# Altium PCB UZ_A_MAX11331_Daughter.PcbDoc (part 6 of 7) (continued)
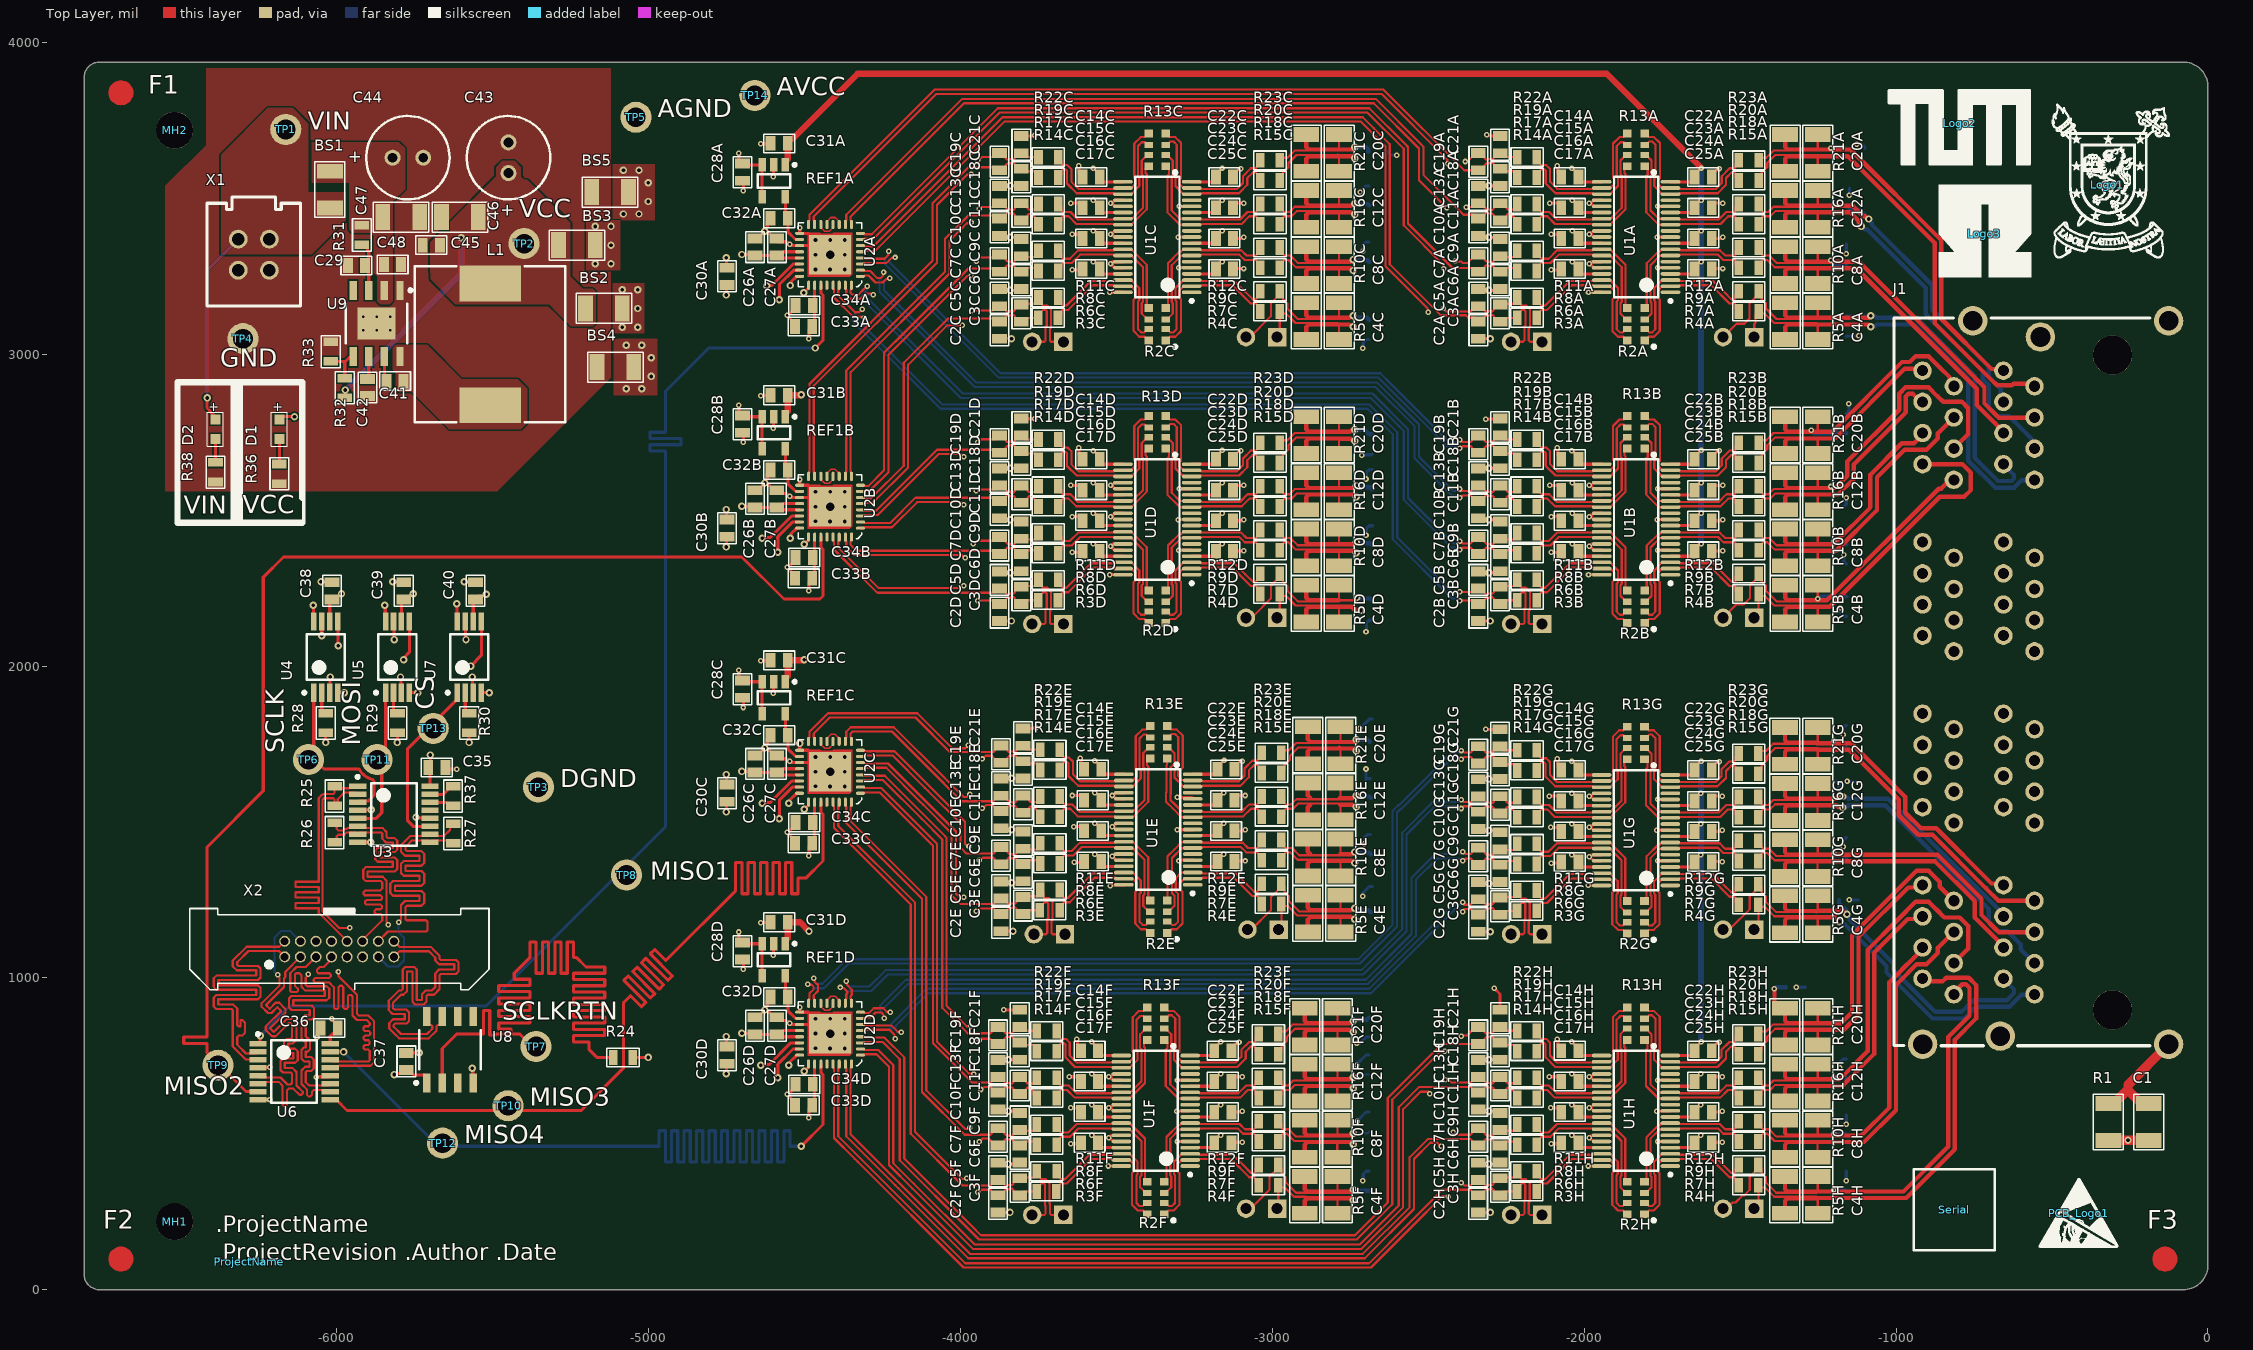
[diagram p0: Top Layer view]
## Nets (pads, with @x,y where several pads share a name; then routed paths per layer and width w, separated by ;. In a path a pad name is that pad's centre, name@x,y a point inside that pad or via, vN(x,y) a via of type N, cw(c..) or ccw(c..) an arc to the next point about the centre after c; other vN are vias at no path point) (continued)
FB4F_P: R2F.2 R7F.1 U1F.3 | length 501
  Top Layer w7: R2F.2@-3346.86,278.5 -3342.93,278.5 -3332.53,268.1 -3322.58,268.1 -3312.58,278.1 -3312.58,367.51 -3315.94,370.86 -3315.94,410.27 -3290.22,435.98 U1F.3@-3263.94,435.98 -3237.05,435.98 -3234.21,433.14 -3127.34,433.14 -3092.45,398.25 -3068.69,374.5 -3058.8,374.5 -3054.69,378.6 -3054.69,389.72 R7F.1@-3044.42,400
FB4G_N: R2G.1 R4G.1 U1G.2 | length 501
  Top Layer w7: R2G.1@-1806.86,1142.09 -1805.68,1142.09 -1793.67,1154.1 -1776.79,1154.1 -1758.58,1172.3 -1758.58,1273.31 -1763.94,1278.66 -1763.94,1302.58 -1750.22,1316.3 U1G.2@-1723.94,1316.3 -1697.05,1316.3 -1694.21,1319.14 -1593.14,1319.14 -1534.49,1260.5 -1518.8,1260.5 -1514.69,1256.4 -1514.69,1245.28 R4G.1@-1504.42,1235
FB4G_P: R2G.2 R7G.1 U1G.3 | length 501
  Top Layer w7: R2G.2@-1806.86,1178.5 -1802.93,1178.5 -1792.53,1168.1 -1782.58,1168.1 -1772.58,1178.1 -1772.58,1267.51 -1775.94,1270.86 -1775.94,1310.27 -1750.22,1335.98 U1G.3@-1723.94,1335.98 -1697.05,1335.98 -1694.21,1333.14 -1587.34,1333.14 -1552.45,1298.25 -1528.69,1274.5 -1518.8,1274.5 -1514.69,1278.6 -1514.69,1289.72 R7G.1@-1504.42,1300
FB4H_N: R2H.1 R4H.1 U1H.2 | length 501
  Top Layer w7: R2H.1@-1806.86,242.09 -1805.68,242.09 -1793.67,254.1 -1776.79,254.1 -1758.58,272.3 -1758.58,373.31 -1763.94,378.66 -1763.94,402.58 -1750.22,416.3 U1H.2@-1723.94,416.3 -1697.05,416.3 -1694.21,419.14 -1593.14,419.14 -1534.49,360.5 -1518.8,360.5 -1514.69,356.4 -1514.69,345.28 R4H.1@-1504.42,335
FB4H_P: R2H.2 R7H.1 U1H.3 | length 501
  Top Layer w7: R2H.2@-1806.86,278.5 -1802.93,278.5 -1792.53,268.1 -1782.58,268.1 -1772.58,278.1 -1772.58,367.51 -1775.94,370.86 -1775.94,410.27 -1750.22,435.98 U1H.3@-1723.94,435.98 -1697.05,435.98 -1694.21,433.14 -1587.34,433.14 -1552.45,398.25 -1528.69,374.5 -1518.8,374.5 -1514.69,378.6 -1514.69,389.72 R7H.1@-1504.42,400
FGND: C1.1 J1.S3 R1.1 | length 336.3
  Top Layer w30: R1.1@-318.99,597.01 -301.27,597.01 -256.42,641.86 ; C1.1@-218.36,602.01 -256.42,640.07 -256.42,641.86 ; J1.S3@-125.99,787.4 -256.42,656.97 -256.42,641.86
MISOA: TP8.1 U2A.27 U6.1 | length 4057.2
  Top Layer w10: U6.1@-6253.71,789.13 -6250.28,789.13 -6246.42,792.99 v2(-6246.42,815) ; v2(-4466.42,3020) -4441.42,3045 -4441.42,3190 -4448.39,3196.97 U2A.27@-4448.39,3221.46
  Bottom Layer w10: v2(-6246.42,815) -6151.42,910 -5521.42,910 -4946.42,1485 -4946.42,2685 -4946.42,2690 -4996.42,2690 -4996.42,2710 -4896.42,2710 -4896.42,2730 -4996.42,2730 -4996.42,2750 -4946.42,2750 -4946.42,2770 -4946.42,2881.82 -4808.25,3020 v2(-4466.42,3020)
MISOADC1_N: U6.3 X2.2 | length 1080.6
  Top Layer w7: U6.3@-6253.71,737.95 -6291.77,737.95 -6334,780.18 -6334,830 -6334,880 -6334,896.2 -6338.1,900.3 -6386.8,900.3 -6395,908.5 -6395,937.1 -6386.8,945.3 -6259,945.3 -6259,962.3 -6386.8,962.3 -6395,970.5 -6395,999.1 -6386.8,1007.3 -6259,1007.3 -6259,1024.3 -6321.7,1024.3 -6334,1036.6 -6334,1050 -6334,1055.8 -6289.8,1100 -6185.13,1100 X2.2@-6167.57,1117.57
MISOADC1_P: U6.2 X2.1 | length 1108.6
  Top Layer w7: U6.2@-6253.71,763.54 -6259.07,758.18 -6281.43,758.18 -6281.87,757.75 -6291.77,757.75 -6320,785.98 -6320,810 -6315,815 -6304.1,815 -6295,824.1 -6295,855.9 -6304.1,865 -6309,865 -6309,845 -6315.9,845 -6320,849.1 -6320,880 -6320,902 -6332.3,914.3 -6381,914.3 -6381,931.3 -6253.2,931.3 -6245,939.5 -6245,968.1 -6253.2,976.3 -6381,976.3 -6381,993.3 -6253.2,993.3 -6245,1001.5 -6245,1030.1 -6253.2,1038.3 -6315.9,1038.3 -6320,1042.4 -6320,1050 -6284,1086 -6186,1086 X2.1@-6167.57,1067.57
MISOADC2_N: U6.5 X2.4 | length 1057
  Top Layer w7: U6.5@-6253.71,686.77 -6248.35,681.41 -6225.98,681.41 -6225.55,680.98 -6202.85,680.98 -6202.41,680.54 -6181.31,680.54 -6158.86,658.09 -6149.1,658.09 -6144,663.19 -6144,685 -6144,692.6 -6148.1,696.7 -6173.2,696.7 -6181.4,704.9 -6181.4,733.5 -6173.2,741.7 -6140,741.7 -6140,758.7 -6162.15,758.7 -6170.35,766.9 -6170.35,795.5 -6162.15,803.7 -6148.1,803.7 -6144,807.8 -6144,835 -6144,849 -6149.37,854.37 -6155.17,854.37 -6196.79,812.76 -6208.39,812.76 -6228.61,832.98 -6228.61,844.58 -6179.09,894.09 -6191.12,906.11 -6209.89,887.34 -6221.48,887.34 -6241.71,907.57 -6241.71,919.16 -6184,976.87 -6184,986 -6184,1001.1 -6187.95,1005.05 -6187.95,1005.38 -6186.67,1006.67 v1(-6190,1010)
  Bottom Layer w7: v1(-6190,1010) -6200,1020 -6200,1130 -6180,1150 -6150,1150 X2.4@-6117.57,1117.57
MISOADC2_P: U6.6 X2.3 | length 1095.7
  Top Layer w7: U6.6@-6253.71,661.18 -6248.35,666.54 -6187.11,666.54 -6175,654.43 -6175,594.1 -6170.9,590 -6164.1,590 -6160,594.1 -6160,640 -6155,645 -6140,645 -6120.1,625.1 -6113.9,625.1 -6110,629 -6110,635 -6130,655 -6130,685 -6130,698.4 -6142.3,710.7 -6167.4,710.7 -6167.4,727.7 -6134.2,727.7 -6126,735.9 -6126,764.5 -6134.2,772.7 -6156.35,772.7 -6156.35,789.7 -6142.3,789.7 -6130,802 -6130,835 -6130,854.8 -6134.1,858.9 -6143.58,868.37 -6160.97,868.37 -6202.59,826.76 -6214.61,838.78 -6165.09,888.29 -6165.09,899.89 -6185.32,920.11 -6196.91,920.11 -6215.68,901.34 -6227.71,913.37 -6170,971.07 -6170,986.02 -6170,998.38 -6165.96,1002.42 -6165.96,1019.17 X2.3@-6117.57,1067.57
MISOADC3_N: U6.11 X2.6 | length 1106.1
  Top Layer w7: v1(-6091.64,1011.87) -6091.64,1008.97 -6100,1000.61 -6100,985 -6100,977.4 -6095.9,973.3 -6033.2,973.3 -6025,965.1 -6025,936.5 -6033.2,928.3 -6140,928.3 -6140,911.3 -6081.44,911.3 -6073.24,903.1 -6073.24,874.5 -6081.44,866.3 -6095.9,866.3 -6100,862.2 -6100,830 -6100,820 -6100,812.4 -6095.9,808.3 -6094.62,808.3 -6086.42,800.1 -6086.42,771.5 -6094.62,763.3 -6100,763.3 -6100,746.3 -6082.46,746.3 -6074.26,738.1 -6074.26,709.5 -6082.46,701.3 -6095.9,701.3 -6100,697.2 -6100,685 -6100,665.39 -6090,655.39 -6059.48,655.39 -6049.58,655.39 -6049.15,655.82 -6026.78,655.82 U6.11@-6021.42,661.18
  Signal 1 w7: v1(-6091.64,1011.87) -6091.87,1011.87 -6110,1030 -6180,1030 -6200,1050 -6200,1129.28 -6180.5,1148.78 -6098.78,1148.78 X2.6@-6067.57,1117.57
MISOADC3_P: U6.10 X2.5 | length 1069
  Top Layer w7: X2.5@-6067.57,1067.57 -6100.07,1035.07 -6129.93,1035.07 -6150,1015 -6150,959.1 -6145.9,955 -6129.1,955 -6125,959.1 -6125,965 -6135,975 -6135,1010.9 -6130.9,1015 -6120,1015 -6114,1009 -6114,985 -6114,971.6 -6101.7,959.3 -6039,959.3 -6039,942.3 -6145.8,942.3 -6154,934.1 -6154,905.5 -6145.8,897.3 -6087.24,897.3 -6087.24,880.3 -6101.7,880.3 -6114,868 -6114,830 -6114,820 -6114,806.6 -6101.7,794.3 -6100.42,794.3 -6100.42,777.3 -6105.8,777.3 -6114,769.1 -6114,740.5 -6105.8,732.3 -6088.26,732.3 -6088.26,715.3 -6101.7,715.3 -6114,703 -6114,685 -6114,659.59 -6095.8,641.39 -6095.8,624.1 -6091.7,620 -6085,620 -6080,625 -6080,635 -6074.05,640.95 -6026.78,640.95 U6.10@-6021.42,635.59
MISOADC4_N: U6.13 X2.8 | length 1002.5
  Top Layer w7: U6.13@-6021.42,712.36 -6016.06,717.72 -5993.7,717.72 -5993.26,718.16 -5892.04,718.16 -5881,729.2 -5881,765 -5881,855 -5881,860.8 -5899.2,879 -5930,879 -5936,885 -5936,945.68 -5995.21,1004.89 v1(-5995.21,1020)
  Signal 2 w7: X2.8@-6017.57,1117.57 -6045,1145 -6052.67,1145 ccw(c-6067.57,1117.57) -6082.46,1145 -6102.67,1145 ccw(c-6117.57,1117.57) -6132.46,1145 -6152.67,1145 ccw(c-6167.57,1117.57) -6182.46,1145 -6184.28,1145 -6195,1134.28 -6195,1132.46 ccw(c-6167.57,1117.57) -6195,1102.67 -6195,1082.46 ccw(c-6167.57,1067.57) -6195,1052.67 -6195,1045 -6186.03,1036.03 -6011.23,1036.03 v1(-5995.21,1020)
MISOADC4_P: U6.14 X2.7 | length 1038
  Top Layer w7: U6.14@-6021.42,737.95 -6016.06,732.59 -5993.7,732.59 -5993.26,732.16 -5899.1,732.16 -5895,736.26 -5895,765 -5900,770 -5910.9,770 -5915,774.1 -5915,780 -5910,785 -5900,785 -5895.4,789.6 -5895.4,795.4 -5900,800 -5910,800 -5914.6,804.6 -5914.6,810.4 -5910,815 -5898,815 -5893.4,819.6 -5893.4,825.4 -5898,830 -5910.9,830 -5915,834.1 -5915,840.9 -5910.9,845 -5900,845 -5895,850 -5895,855 -5905,865 -5935.8,865 -5950,879.2 -5950,940.12 -5954.98,945.1 -5960.9,945.1 -5965,941 -5965,905 -5969.6,900.4 -5975.4,900.4 -5980,905 -5980,970 -5984.54,974.54 -5984.54,974.66 -5990.34,974.66 -5995,970 -5995,904 -5999.1,899.9 -6004.9,899.9 -6010,905 -6010,970 -6025,985 -6027.93,985 -6028.23,985.3 -6070.3,985.3 -6074.6,989.6 -6074.6,995.4 -6070,1000 -6025,1000 -6020,1005 -6020,1010.9 -6024.1,1015 -6060,1015 -6064.6,1019.6 -6064.6,1025.4 -6055,1035 -6042.44,1035 -6017.57,1059.87 X2.7@-6017.57,1067.57
MISOB: TP9.1 U2B.27 U6.7 | length 4037.3
  Top Layer w10: U6.7@-6253.71,635.59 -6292.01,635.59 -6378.92,722.5 -6416.42,760 -6416.42,785 -6416.42,790 -6491.42,790 -6491.42,810 -6416.42,810 -6416.42,830 -6416.42,1420 -6236.42,1600 -6236.42,2285 -6171.42,2350 -4701.42,2350 -4566.42,2215 -4451.42,2215 -4441.42,2225 -4441.42,2375 -4448.39,2381.97 U2B.27@-4448.39,2413.66
MISOC: TP10.1 U2C.27 U6.9 | length 4063.9
  Top Layer w10: U6.9@-6021.42,610 -6002.72,610 -5967.72,575 -5216.42,575 -5081.42,710 -5081.42,920 -5076.42,925 -5058.75,942.68 -5023.39,907.32 -5009.25,921.46 -5079.96,992.18 -5065.82,1006.32 -4995.11,935.61 -4980.96,949.75 -5051.67,1020.46 -5037.53,1034.6 -4966.82,963.89 -4952.68,978.03 -5023.39,1048.74 -5009.25,1062.89 -4938.54,992.18 -4924.39,1006.32 -4995.11,1077.03 -4980.96,1091.17 -4945.61,1055.82 -4934.48,1066.95 -4726.42,1275 -4721.42,1280 -4721.42,1370 -4701.42,1370 -4701.42,1270 -4681.42,1270 -4681.42,1370 -4661.42,1370 -4661.42,1270 -4641.42,1270 -4641.42,1370 -4621.42,1370 -4621.42,1270 -4601.42,1270 -4601.42,1370 -4581.42,1370 -4581.42,1270 -4561.42,1270 -4561.42,1370 -4541.42,1370 -4541.42,1270 -4521.42,1270 -4521.42,1320 -4506.42,1320 -4496.42,1320 -4441.42,1375 -4441.42,1525 -4448.39,1531.97 U2C.27@-4448.39,1563.66
MISOD: TP12.1 U2D.27 U6.15 | length 4031.3
  Top Layer w10: U6.15@-6021.42,763.54 -6020.99,763.11 -5979.33,763.11 v2(-5978.9,762.68) ; v2(-4511.42,460) -4441.42,530 -4441.42,690 -4448.39,696.97 U2D.27@-4448.39,723.66
  Bottom Layer w10: v2(-5978.9,762.68) -5676.22,460 -4972.03,460 -4967.03,460 -4967.03,510 -4947.03,510 -4947.03,410 -4927.03,410 -4927.03,510 -4907.03,510 -4907.03,410 -4887.03,410 -4887.03,510 -4867.03,510 -4867.03,410 -4847.03,410 -4847.03,510 -4827.03,510 -4827.03,410 -4807.03,410 -4807.03,510 -4787.03,510 -4787.03,410 -4767.03,410 -4767.03,510 -4747.03,510 -4747.03,410 -4727.03,410 -4727.03,510 -4707.03,510 -4707.03,410 -4687.03,410 -4687.03,510 -4667.03,510 -4667.03,410 -4647.03,410 -4647.03,510 -4627.03,510 -4627.03,410 -4607.03,410 -4607.03,510 -4587.03,510 -4587.03,410 -4567.03,410 -4567.03,510 -4547.03,510 -4547.03,460 -4541.42,460 v2(-4511.42,460)
MOSI: TP11.1 U3.5 U5.1 | length 474.5
  Top Layer w10: U3.5@-5933.71,1511.77 -5874.65,1511.77 -5856.42,1530 -5856.42,1705.98 -5844.38,1718.03 U5.1@-5844.38,1914.68
MOSI_N: R26.1 U3.7 X2.12 | length 1068.2
  Top Layer w7: R26.1@-6007.57,1434.57 -6000.49,1441.64 -6000.49,1454.96 -5996.39,1459.06 -5976.88,1459.06 -5969.99,1465.95 -5939.07,1465.95 U3.7@-5933.71,1460.59 -5928.35,1465.95 -5905.98,1465.95 -5905.55,1466.39 -5859.1,1466.39 -5855,1462.29 -5855,1460 -5855,1446.6 -5842.7,1434.3 -5821,1434.3 -5821,1417.3 -5869.23,1417.3 -5877.43,1409.1 -5877.43,1380.5 -5869.23,1372.3 -5821,1372.3 -5821,1355.3 -5907.8,1355.3 -5916,1347.1 -5916,1318.5 -5907.8,1310.3 -5859.1,1310.3 -5855,1306.2 -5855,1287.08 -5862.08,1280 -5910,1280 -5915,1275 -5915,1269.1 -5910.9,1265 -5860,1265 -5855.4,1260.4 -5855.4,1254.6 -5860,1250 -5905,1250 -5910.1,1244.9 -5910.1,1239.1 -5906,1235 -5860,1235 -5855.4,1230.4 -5855.4,1224.6 -5860,1220 -5875,1220 -5879.6,1215.4 -5879.6,1209.6 -5875,1205 -5860,1205 -5855,1200 -5855,1185 -5917.57,1122.43 X2.12@-5917.57,1117.57
MOSI_P: R26.2 U3.6 X2.11 | length 1065.1
  Top Layer w7: R26.2@-6007.57,1497.56 -6000.49,1490.49 -6000.49,1477.16 -5996.39,1473.06 -5979.85,1473.06 -5974.96,1477.95 -5967.61,1477.95 -5964.74,1480.82 -5939.07,1480.82 U3.6@-5933.71,1486.18 -5928.35,1480.82 -5905.98,1480.82 -5905.55,1480.39 -5853.3,1480.39 -5841,1468.08 -5841,1460 -5841,1452.4 -5836.9,1448.3 -5815.2,1448.3 -5807,1440.1 -5807,1411.5 -5815.2,1403.3 -5863.43,1403.3 -5863.43,1386.3 -5815.2,1386.3 -5807,1378.1 -5807,1349.5 -5815.2,1341.3 -5902,1341.3 -5902,1324.3 -5853.3,1324.3 -5841,1312 -5841,1287.08 -5841,1180.04 -5835,1174.04 v1(-5835,1171.14)
  Signal 2 w7: X2.11@-5917.57,1067.57 -5885,1035 -5805.99,1035 -5786.35,1054.64 -5786.35,1130.5 -5804.63,1148.78 -5824.94,1169.09 -5832.95,1169.09 v1(-5835,1171.14)
MOSIA: U2A.24 U5.3 | length 4008.5
  Top Layer w10: v2(-5796.42,1965) -5794.81,1963.39 -5794.81,1916.3 U5.3@-5793.19,1914.68 ; v2(-4546.86,3220.44) -4544.25,3223.04 -4544.25,3231.74 -4525.99,3250 U2A.24@-4516.31,3250
  Signal 1 w10: v2(-5796.42,1965) -5701.42,2060 -5701.42,2365 -5697.89,2368.54 -5729.43,2400.07 -5715.28,2414.22 -5648.39,2347.32 -5634.25,2361.46 -5701.14,2428.36 -5687,2442.5 -5620.11,2375.61 -5605.96,2389.75 -5672.91,2456.7 -5658.77,2470.84 -5591.82,2403.89 -5577.68,2418.03 -5645.91,2486.26 -5631.77,2500.41 -5563.54,2432.18 -5549.39,2446.32 -5620.11,2517.03 -5605.96,2531.17 -5535.25,2460.46 -5521.11,2474.6 -5591.82,2545.31 -5577.68,2559.45 -5506.97,2488.74 -5492.83,2502.89 -5563.54,2573.6 -5549.39,2587.74 -5478.68,2517.03 -5464.54,2531.17 -5535.25,2601.88 -5521.11,2616.02 -5450.4,2545.31 -5436.26,2559.45 -5506.97,2630.17 -5492.83,2644.31 -5422.12,2573.6 -5407.97,2587.74 -5478.68,2658.45 -5464.54,2672.59 -5393.83,2601.88 -5379.69,2616.02 -5415.04,2651.38 -5406.42,2660 -5391.64,2660 -5141.42,2660 -4580.99,3220.44 v2(-4546.86,3220.44)
MOSIB: U2B.24 U5.8 | length 4025.3
  Top Layer w10: v2(-5846.42,2195) -5845.4,2193.98 -5845.4,2144.06 U5.8@-5844.38,2143.03 ; v2(-4546.42,2410) -4543.82,2412.61 -4543.82,2424.38 -4525.99,2442.2 U2B.24@-4516.31,2442.2
  Signal 2 w10: v2(-5846.42,2195) -5731.42,2195 -5576.42,2350 -5526.42,2350 -5521.42,2350 -5521.42,2395 -5501.42,2395 -5501.42,2300 -5481.42,2300 -5481.42,2395 -5461.42,2395 -5461.42,2300 -5441.42,2300 -5441.42,2395 -5421.42,2395 -5421.42,2300 -5401.42,2300 -5401.42,2395 -5381.42,2395 -5381.42,2300 -5361.42,2300 -5361.42,2395 -5341.42,2395 -5341.42,2300 -5321.42,2300 -5321.42,2395 -5301.42,2395 -5301.42,2300 -5281.42,2300 -5281.42,2395 -5261.42,2395 -5261.42,2300 -5241.42,2300 -5241.42,2395 -5221.42,2395 -5221.42,2300 -5201.42,2300 -5201.42,2395 -5181.42,2395 -5181.42,2300 -5161.42,2300 -5161.42,2395 -5141.42,2395 -5141.42,2300 -5121.42,2300 -5121.42,2395 -5101.42,2395 -5101.42,2300 -5081.42,2300 -5081.42,2395 -5061.42,2395 -5061.42,2300 -5041.42,2300 -5041.42,2386.36 -5021.42,2386.36 -5021.42,2300 -5001.42,2300 -5001.42,2390.18 -4981.42,2390.18 -4981.42,2350 -4976.42,2350 -4973.58,2350 -4651.42,2350 -4591.42,2410 v2(-4546.42,2410)
MOSIC: U2C.24 U5.7 | length 4022.8
  Top Layer w10: U5.7@-5818.79,2143.03 -5817.6,2141.85 -5817.6,2086.18 v2(-5816.42,2085) ; v2(-4551.42,1560) -4548.82,1562.61 -4548.82,1569.38 -4525.99,1592.2 U2C.24@-4516.31,1592.2
  Signal 2 w10: v2(-5816.42,2085) -5776.42,2125 -5771.42,2125 -5746.42,2125 -5746.42,2075 -5726.42,2075 -5726.42,2125 -5706.42,2125 -5706.42,2075 -5686.42,2075 -5686.42,2125 -5666.42,2125 -5666.42,2075 -5646.42,2075 -5646.42,2125 -5626.42,2125 -5626.42,2102.92 -5606.42,2102.92 -5606.42,2125 -5586.42,2125 -5586.42,2111.81 -5566.42,2111.81 -5566.42,2125 -5546.42,2125 -5546.42,2100 -5526.42,2100 -5526.42,2125 -5506.42,2125 -5506.42,2100 -5486.42,2100 -5486.42,2125 -5466.42,2125 -5466.42,2100 -5446.42,2100 -5446.42,2125 -5426.42,2125 -5426.42,2100 -5406.42,2100 -5406.42,2125 -5386.42,2125 -5386.42,2100 -5366.42,2100 -5366.42,2125 -5346.42,2125 -5346.42,2100 -5326.42,2100 -5326.42,2125 -5306.42,2125 -5306.42,2100 -5286.42,2100 -5286.42,2125 -5266.42,2125 -5266.42,2100 -5246.42,2100 -5246.42,2125 -5226.42,2125 -5226.42,2100 -5206.42,2100 -5206.42,2125 -5186.42,2125 -5186.42,2100 -5166.42,2100 -5166.42,2128.58 -5146.42,2128.58 -5146.42,2100 -5126.42,2100 -5126.42,2149.98 -5106.42,2149.98 -5106.42,2081.21 -5086.42,2081.21 -5086.42,2138.79 -5066.42,2138.79 -5066.42,2090 -5046.42,2070 -5033.92,2057.5 -5030.39,2053.96 -5005.99,2078.36 -4991.85,2064.22 -5040.64,2015.43 -5026.5,2001.29 -4977.71,2050.07 -4963.57,2035.93 -5012.35,1987.14 -4998.21,1973 -4949.43,2021.79 -4935.28,2007.65 -4984.07,1958.86 -4969.93,1944.72 -4921.14,1993.5 -4907,1979.36 -4955.79,1930.58 -4941.64,1916.43 -4905.57,1952.51 -4891.42,1938.37 -4911.42,1918.37 -4911.42,1875 -4911.42,1870.49 -4911.42,1839.34 -4936.42,1839.34 -4936.42,1819.34 -4891.42,1819.34 -4891.42,1799.34 -4936.42,1799.34 -4936.42,1779.34 -4891.42,1779.34 -4891.42,1759.34 -4936.42,1759.34 -4936.42,1739.34 -4891.42,1739.34 -4891.42,1719.34 -4922.01,1719.34 -4922.01,1699.34 -4891.42,1699.34 -4891.42,1679.34 -4911.42,1679.34 -4911.42,1659.34 -4891.42,1659.34 -4891.42,1639.34 -4911.42,1639.34 -4911.42,1615 -4910.76,1614.34 -4895.71,1599.29 -4892.18,1595.75 -4877.78,1610.15 -4863.64,1596 -4879.9,1579.75 -4865.75,1565.61 -4849.5,1581.86 -4835.36,1567.72 -4849.75,1553.33 -4835.71,1539.29 -4801.82,1505.39 -4646.03,1505.39 -4591.42,1560 v2(-4551.42,1560)
MOSID: U2D.24 U5.5 | length 4048.9
  Top Layer w10: v2(-5786.42,2020) -5786.42,2026.18 -5767.01,2045.59 -5767.01,2142.44 U5.5@-5767.6,2143.03 ; v2(-4551.42,720) -4548.82,722.61 -4548.82,729.38 -4525.99,752.2 U2D.24@-4516.31,752.2
  Signal 2 w10: v2(-5786.42,2020) -5783.75,2020 -5773.75,2030 -5426.42,2030 -5196.07,1799.64 -5196.07,1765 -5196.07,1760 -5175.71,1760 -5175.71,1740 -5216.42,1740 -5216.42,1720 -5175.71,1720 -5175.71,1700 -5216.42,1700 -5216.42,1680 -5175.71,1680 -5175.71,1660 -5216.42,1660 -5216.42,1640 -5175.71,1640 -5175.71,1620 -5216.42,1620 -5216.42,1600 -5175.71,1600 -5175.71,1580 -5216.42,1580 -5216.42,1560 -5175.71,1560 -5175.71,1540 -5216.42,1540 -5216.42,1520 -5175.71,1520 -5175.71,1500 -5216.42,1500 -5216.42,1480 -5175.71,1480 -5175.71,1460 -5216.42,1460 -5216.42,1440 -5175.71,1440 -5175.71,1420 -5216.42,1420 -5216.42,1400 -5175.71,1400 -5175.71,1380 -5216.42,1380 -5216.42,1360 -5175.71,1360 -5175.71,1340 -5216.42,1340 -5216.42,1320 -5175.71,1320 -5175.71,1300 -5216.42,1300 -5216.42,1280 -5175.71,1280 -5175.71,1260 -5216.42,1260 -5216.42,1240 -5175.71,1240 -5175.71,1220 -5216.42,1220 -5216.42,1200 -5175.71,1200 -5175.71,1180 -5216.42,1180 -5216.42,1160 -5175.71,1160 -5175.71,1140 -5215.66,1140 -5215.66,1120 -5175.71,1120 -5175.71,1100 -5196.07,1100 -5196.07,1080 -5175.71,1080 -5175.71,1060 -5196.07,1060 -5196.07,1040 -5175.71,1040 -5175.71,1020 -5196.07,1020 -5196.07,1000 -5175.71,1000 -5175.71,980 -5196.07,980 -5196.07,960 -5175.71,960 -5175.71,940 -5196.07,940 -5196.07,932.32 -5196.07,889.64 -4971.42,665 -4658.51,665 -4603.51,720 v2(-4551.42,720)
NetC32A_1: C32A.1 REF1A.5 U2A.18 | length 163.7
  Top Layer w10: REF1A.5@-4561.94,3505.16 -4561.94,3444.06 C32A.1@-4554.22,3436.34 -4554.22,3392.8 -4529.61,3368.19 -4516.38,3368.19 U2A.18@-4516.31,3368.11
NetC32B_1: C32B.1 REF1B.5 U2B.18 | length 163.7
  Top Layer w10: REF1B.5@-4561.94,2697.36 -4561.94,2636.26 C32B.1@-4554.22,2628.54 -4554.22,2585 -4529.61,2560.39 -4516.38,2560.39 U2B.18@-4516.31,2560.31
NetC32C_1: C32C.1 REF1C.5 U2C.18 | length 163.7
  Top Layer w10: REF1C.5@-4561.94,1847.36 -4561.94,1786.26 C32C.1@-4554.22,1778.54 -4554.22,1735 -4529.61,1710.39 -4516.38,1710.39 U2C.18@-4516.31,1710.31
NetC32D_1: C32D.1 REF1D.5 U2D.18 | length 163.7
  Top Layer w10: REF1D.5@-4561.94,1007.36 -4561.94,946.26 C32D.1@-4554.22,938.54 -4554.22,895 -4529.61,870.39 -4516.38,870.39 U2D.18@-4516.31,870.31
NetC41_2: C41.2 U9.7 | length 81.4
  Top Layer w10: U9.7@-5848,2992.6 -5848,2920.35 C41.2@-5841.5,2913.86
NetC42_1: C42.1 U9.6 | length 73.3
  Top Layer w10: C42.1@-5902,2921 -5898,2925 U9.6@-5898,2992.6
NetD1_1: D1.1 R36.2 | length 80.3
  Top Layer w10: R36.2@-6185,2647.99 -6184.65,2648.34 D1.1@-6184.65,2728.19
NetD2_1: D2.1 R38.1 | length 74.8
  Top Layer w10: R38.1@-6389.69,2653.39 D2.1@-6389.69,2728.19
NetR24_2: R24.2 TP7.1 U8.2 | length 4118.6
  Top Layer w10: U8.2@-5662.57,663.27 -5662.57,773.86 -5616.42,820 -5535,820 -5530,820 -5530,895 -5510,895 -5510,816.73 -5490,816.73 -5490,820 -5451.42,820 ; TP7.1@-5361.42,780 -5373.35,780 -5413.35,820 -5446.42,820 -5451.42,820 ; R24.2@-5114.41,745 -5166.42,745 -5191.42,770 -5191.42,795 -5241.42,795 -5241.42,815 -5141.42,815 -5141.42,835 -5241.42,835 -5241.42,855 -5141.42,855 -5141.42,875 -5241.42,875 -5241.42,895 -5141.42,895 -5141.42,915 -5241.42,915 -5241.42,935 -5141.42,935 -5141.42,955 -5241.42,955 -5241.42,975 -5141.42,975 -5141.42,995 -5241.42,995 -5241.42,1015 -5141.42,1015 -5141.42,1035 -5201.42,1035 -5206.42,1040 -5231.42,1065 -5241.42,1065 -5241.42,1115 -5261.42,1115 -5261.42,1015 -5281.42,1015 -5281.42,1115 -5301.42,1115 -5301.42,1015 -5321.42,1015 -5321.42,1115 -5341.42,1115 -5341.42,1015 -5361.42,1015 -5361.42,1115 -5381.42,1115 -5381.42,1065 -5386.42,1060 -5431.42,1015 -5431.42,1005 -5431.42,995.86 -5381.42,995.86 -5381.42,975.86 -5481.42,975.86 -5481.42,955.86 -5381.42,955.86 -5381.42,935.86 -5481.42,935.86 -5481.42,915.86 -5381.42,915.86 -5381.42,895.86 -5481.42,895.86 -5481.42,875.86 -5381.42,875.86 -5381.42,855.86 -5481.42,855.86 -5481.42,835.86 -5441.42,835.86 -5441.42,830 -5446.42,825 -5451.42,820
NetR28_1: R28.1 U4.2 | length 73.5
  Top Layer w10: U4.2@-6048.79,1914.68 -6048.79,1857.64 -6040.01,1848.86 R28.1@-6035.99,1848.86
NetR29_1: R29.1 U5.2 | length 73.5
  Top Layer w10: U5.2@-5818.79,1914.68 -5818.79,1857.64 -5810.01,1848.86 R29.1@-5805.99,1848.86
NetR30_1: R30.1 U7.2 | length 73.5
  Top Layer w10: U7.2@-5588.79,1914.68 -5588.79,1857.64 -5580.01,1848.86 R30.1@-5575.99,1848.86
NetR37_1: R37.1 U3.15 | length 87.3
  Top Layer w10: U3.15@-5701.42,1588.54 -5658.86,1588.54 -5646.19,1601.22 -5646.19,1605.79 -5637.41,1614.57 R37.1@-5627.57,1614.57
NetR37_2: R37.2 U3.14 | length 78.6
  Top Layer w10: U3.14@-5701.42,1562.95 -5648.79,1562.95 -5637.41,1551.58 R37.2@-5627.57,1551.58
NetU2A_11: U2A.11 U2A.13 | length 69.3
  Top Layer w5: U2A.13@-4428.71,3416.34 -4428.71,3426.18 -4416.29,3438.6 -4401.76,3438.6 -4389.34,3426.18 U2A.11@-4389.34,3416.34
NetU2A_12: U2A.12 U2A.14 | length 69.3
  Top Layer w5: U2A.14@-4448.39,3416.34 -4448.39,3406.5 -4435.97,3394.07 -4421.44,3394.07 -4409.02,3406.5 U2A.12@-4409.02,3416.34
NetU2B_11: U2B.11 U2B.13 | length 69.3
  Top Layer w5: U2B.13@-4428.71,2608.54 -4428.71,2618.39 -4416.29,2630.81 -4401.76,2630.81 -4389.34,2618.39 U2B.11@-4389.34,2608.54
NetU2B_12: U2B.12 U2B.14 | length 69.3
  Top Layer w5: U2B.14@-4448.39,2608.54 -4448.39,2598.7 -4435.97,2586.28 -4421.44,2586.28 -4409.02,2598.7 U2B.12@-4409.02,2608.54
NetU2C_11: U2C.11 U2C.13 | length 69.3
  Top Layer w5: U2C.13@-4428.71,1758.54 -4428.71,1768.39 -4416.29,1780.81 -4401.76,1780.81 -4389.34,1768.39 U2C.11@-4389.34,1758.54
NetU2C_12: U2C.12 U2C.14 | length 69.3
  Top Layer w5: U2C.14@-4448.39,1758.54 -4448.39,1748.7 -4435.97,1736.28 -4421.44,1736.28 -4409.02,1748.7 U2C.12@-4409.02,1758.54
NetU2D_11: U2D.11 U2D.13 | length 69.3
  Top Layer w5: U2D.13@-4428.71,918.54 -4428.71,928.39 -4416.29,940.81 -4401.76,940.81 -4389.34,928.39 U2D.11@-4389.34,918.54
NetU2D_12: U2D.12 U2D.14 | length 69.3
  Top Layer w5: U2D.14@-4448.39,918.54 -4448.39,908.7 -4435.97,896.28 -4421.44,896.28 -4409.02,908.7 U2D.12@-4409.02,918.54
PGND: BS4.2 BS5.1 C29.2 C42.2 C43.1 C44.1 C45.2 C46.2 C47.2 C48.2 R33.1 R36.1 R38.2 TP4.1 U9.1 U9.9 X1.1 X1.2
  other v4: -5916.31,3077.24 -5873,3077.24 -5829.69,3077.24 -5916.31,3120.55 -5873,3120.55 -5829.69,3120.55
SCLK: TP6.1 U3.3 U4.1 | length 541.5
  Top Layer w10: U4.1@-6074.38,1914.68 -6074.38,1702.95 -6041.42,1670 -5934.87,1670 -5929.09,1670 ccw(c-5871.42,1700) -5886.86,1636.86 -5881.42,1631.42 -5881.42,1585 -5899.61,1566.81 -5929.85,1566.81 U3.3@-5933.71,1562.95
SCLK_N: R25.1 U3.1 X2.10 | length 1104.3
  Top Layer w7: X2.10@-5967.57,1117.57 -6058.5,1208.5 -6058.5,1220 -6058.5,1223.5 -6133.5,1223.5 -6133.5,1240.5 -6058.5,1240.5 -6058.5,1257.5 -6133.5,1257.5 -6133.5,1274.5 -6058.5,1274.5 -6058.5,1291.5 -6133.5,1291.5 -6133.5,1308.5 -6058.5,1308.5 -6058.5,1315 -6058.5,1576.94 -6047.37,1588.07 -6042.9,1588.07 -6040.9,1590.07 -6011.67,1590.07 -6007.57,1594.17 R25.1@-6007.57,1614.57 -6001.34,1608.34 -5961.87,1608.34 -5961.43,1608.78 -5939.07,1608.78 U3.1@-5933.71,1614.13
SCLK_P: R25.2 U3.2 X2.9 | length 1097.1
  Top Layer w7: v1(-5959.09,1160.91) -5960,1160 -5993.03,1160 -6046.5,1213.47 -6046.5,1571.97 -6042.4,1576.07 -6011.67,1576.07 -6007.57,1571.97 R25.2@-6007.57,1551.58 -5997.29,1561.85 -5997.29,1573.4 -5976.35,1594.34 -5961.87,1594.34 -5961.43,1593.9 -5939.07,1593.9 U3.2@-5933.71,1588.54
  Signal 1 w7: X2.9@-5967.57,1067.57 -5935,1035 -5805.99,1035 -5785,1055.99 -5785,1129.15 -5804.63,1148.78 -5944.06,1148.78 -5956.19,1160.91 v1(-5959.09,1160.91)
SCLK_RTN_N: U8.8 X2.16 | length 1094.3
  Top Layer w7: X2.16@-5817.57,1117.57 -5799.57,1099.57 -5699.77,1099.57 -5685.38,1085.18 -5671,1070.8 -5671,1061.8 -5666.9,1057.7 -5618.2,1057.7 -5610,1049.5 -5610,1020.9 -5618.2,1012.7 -5666.9,1012.7 -5671,1008.6 -5671,970 -5671,964.2 -5687.5,947.7 -5689.2,946 -5709,946 -5713.1,941.9 -5713.1,923.08 -5721.3,914.88 -5749.9,914.88 -5758.1,923.08 -5758.1,1021 -5775.1,1021 -5775.1,958.3 -5787.4,946 -5795,946 -5800.8,940.2 -5820,921 -5820,910 -5820,902.4 -5815.9,898.3 -5777.02,898.3 -5768.81,890.1 -5768.81,861.5 -5777.02,853.3 -5814.3,853.3 -5818.4,849.2 -5818.4,843.4 -5796.56,821.56 -5795,820 -5711.26,820 -5694.57,836.69 -5694.57,844.75 -5698.67,848.85 -5704.25,848.85 -5712.57,857.17 U8.8@-5712.57,875.87